# Altium PCB MKRWANV1.0.PcbDoc (part 2 of 2) (continued)
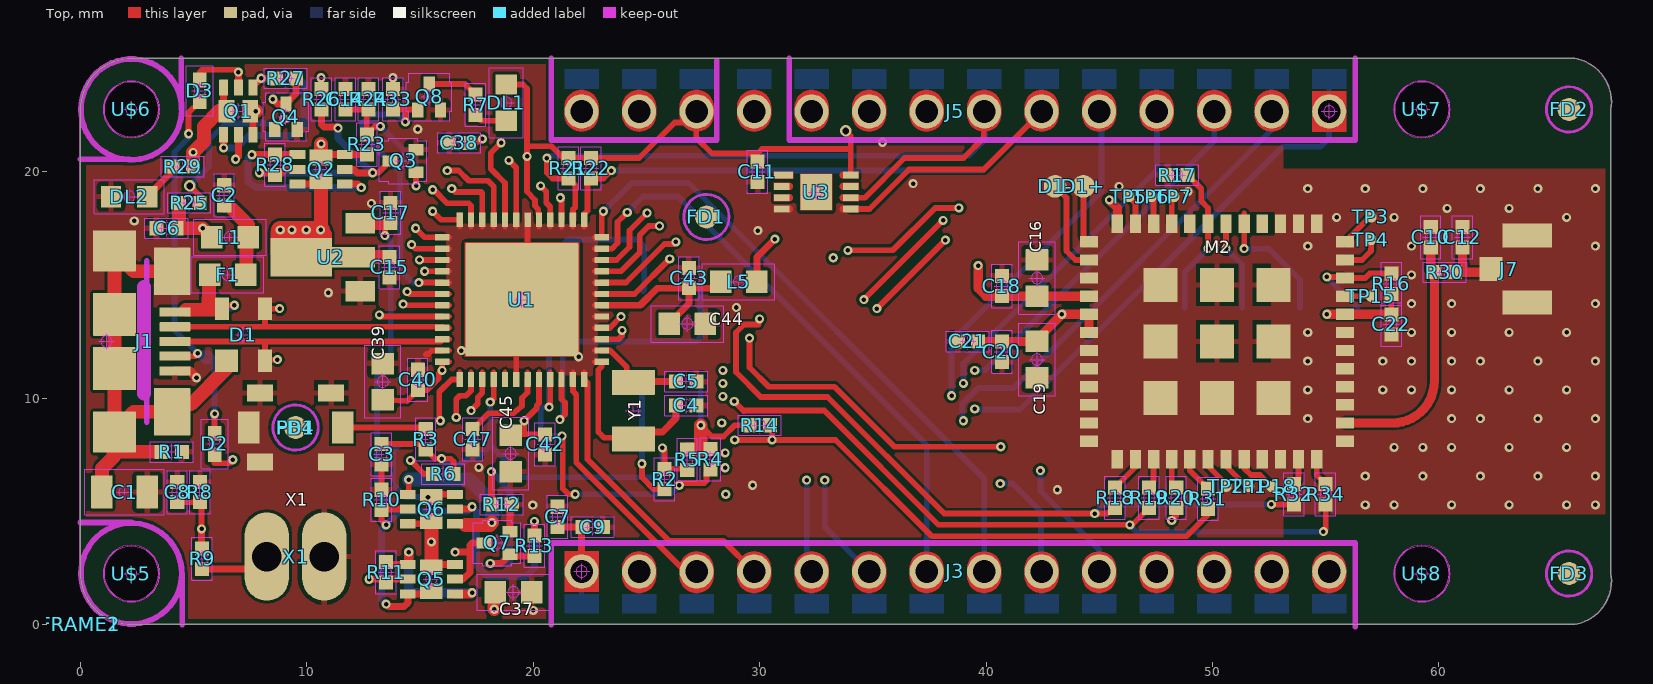
[diagram p0: Top view]
## Nets (pads, with @x,y where several pads share a name; then routed paths per layer and width w, separated by ;. In a path a pad name is that pad's centre, name@x,y a point inside that pad or via, vN(x,y) a via of type N, cw(c..) or ccw(c..) an arc to the next point about the centre after c; other vN are vias at no path point) (continued)
  Top w0.61: J1.1@4.65,13.9 5.45,13.9 ; 5.7,13.95 5.75,13.9 ; F1.2@5.7,15.45 5.65,14.1 5.45,13.9 ; D1.4@6,13.95 D1.4@6.25,13.95 6.2,13.9 5.75,13.9 ; 5.45,13.9 5.75,13.9
  Bottom w0.25: VUSB.X@5.7,13.95 6.65,13.95 v2(6.8,14.1)
N17658775: PB1.6 R3.1 | length 3.7
  Top w0.254: PB1.6@11.575,8.7 15.175,8.7 R3.1@15.25,8.625
N17690335: Q1.S1 Q1.S2 R27.2 | length 9.7
  Top w0.305: v1(6.325,21.05) Q1.S2@6.325,21.635 ; Q1.S1@7.625,23.715 7.625,23.775 v1(7.975,24.125) R27.2@8.625,24.125
  Bottom w0.305: v1(6.325,21.05) 6.9,21.05 7.45,21.6 9.55,21.6 9.875,21.925 9.875,23.9 9.675,24.1 8,24.1 v1(7.975,24.125)
N17690346: D3.A Q1.G1 Q1.G2 Q4.D R27.1 | length 11.7
  Top w0.254: D3.A@5.275,24.05 5.275,24.4 5.375,24.5 6.875,24.5 v1(6.975,24.4)
  Top w0.305: v1(6.85,20.55) 6.975,20.675 Q1.G2@6.975,21.635 Q1.G2@7,21.61 ; Q1.G1@6.975,23.715 v1(6.975,24.4) ; v1(8.5,23.2) 8.705,22.995 Q4.D@9.075,22.995 9.525,23.445 R27.1@9.525,24.125
  POWER w0.305: v1(6.85,20.55) 6.85,20.725 7.6,21.475 8.25,21.475 8.5,21.725 v1(8.5,23.2) 8.175,23.2 v1(6.975,24.4)
N17690381: Q4.G R25.1 R26.2 | length 11.3
  Top w0.254: v3(4.825,19.375) 5.275,18.925 5.275,18.625 R25.1@5.25,18.625 ; Q4.G@8.575,21.855 8.575,21.9 v1(9,22.325) ; v1(10.625,24.15) 10.625,23.675 R26.2@10.65,23.65
  POWER w0.254: v1(9,22.325) 9.95,22.325 10.625,23 v1(10.625,24.15)
  Bottom w0.254: v3(4.825,19.375) 5.675,20.225 5.675,21.4 6.4,22.125 8.8,22.125 v1(9,22.325)
N17690821: Q2.S1 Q2.S2 R28.2 | length 9.2
  Top w0.305: v1(7.575,20.75) R28.2@8.6,20.75 Q2.S1@9.585,20.75 ; Q2.S2@11.665,19.45 12.25,19.45 v1(12.4,19.3)
  Bottom w0.305: v1(7.575,20.75) 7.4,20.575 7.4,19.55 7.75,19.3 v1(12.4,19.3)
N17690840: Q2.G1 Q2.G2 Q3.D R26.1 R28.1 | length 13.2
  Top w0.254: v1(12.9,19.95) 13.155,19.95 Q3.D@13.68,20.475
  Top w0.305: v1(7.9,19.95) 8.5,19.95 R28.1@8.6,19.85 8.8,19.85 9.05,20.1 Q2.G1@9.585,20.1 ; R26.1@10.65,22.75 10.65,22.075 10.75,21.975 11.325,21.975 v1(11.375,21.925) ; Q2.G2@11.665,20.1 12.075,20.1 12.225,19.95 v1(12.9,19.95)
  Bottom w0.305: v1(7.9,19.95) v1(12.9,19.95) 11.375,21.475 v1(11.375,21.925)
N17690878: C14.1 Q3.G R23.1 R24.2 | length 6.8
  Top w0.254: C14.1@11.7,22.75 R24.2@12.725,22.75 12.65,22.675 R23.1@12.65,21.65 13,22 v1(13.25,22) ; Q3.G@14.82,19.975 14.82,19.38 v1(14.825,19.375)
  Bottom w0.254: v1(13.25,22) 14.825,20.425 v1(14.825,19.375)
N17834267: DL2.A R29.1 | length 2
  Top w0.305: DL2.A@2.95,19.15 2.95,18.9 4.075,20.025 R29.1@4.075,20.225
N17852357: C43.1 C44.1 L5.2 U1.6 | length 7.7
  Top w0.305: U1.6@23.025,14.1 24.725,14.1 25.477,14.852 C43.1@26.885,14.852 ; C44.1@26.006,13.275 25.975,13.275 26.875,14.175 26.875,14.842 C43.1@26.885,14.852 ; L5.2@28.274,15.143 27.983,14.852 C43.1@26.885,14.852
N$1: C1.1 D1.1 J1.6 J1.7 J1.8 J1.9 J1.10 J1.11 R1.2 | length 22.5
  Top w0.61: C1.1@0.95,5.85 0.95,6.892 1.459,7.402 1.464,7.531 ; R1.2@3.575,7.625 1.558,7.625 1.464,7.531 ; J1.11@4.05,15.6 2.35,15.6 J1.10@1.5,16.5 J1.9@1.5,13.7 J1.7@1.5,8.5 ; D1.1@6.5,11.6 D1.1@6.45,11.65 6.45,11.3 4.875,9.725 4.325,9.725 J1.6@4.05,9.4 2.35,9.4 J1.7@1.5,8.5 ; 1.464,7.531 J1.7@1.5,8.5
N$2: C2.1 F1.1 L1.1 | length 3.6
  Top w0.61: C2.1@6.35,18.5 6.55,18.5 7.4,17.65 L1.1@7.4,17.1 7.35,17.05 F1.1@7.3,15.45
N$3: DL1.C R7.2 | length 1.5
  Top w0.254: R7.2@17.45,22.5 17.7,22.25 DL1.C@18.8,22.25
N$4: J2.3 R2.1 | length 5
  Top w0.254: v1(24.8,7.1) 24.8,6.5 25.325,5.975 R2.1@25.8,5.975
  Bottom w0.254: v1(24.8,7.1) 24.8,10.228 J2.3@24.85,10.278
N$5: M2.24 R34.1 | length 1.3
  Top w0.254: M2.24@54.6,7.3 54.6,6.6 R34.1@55,6.2
N$6: Q8.D R7.1 | length 2.2
  Top w0.254: Q8.D@15.4,23.87 16.98,23.87 R7.1@17.45,23.4
N$7: M2.23 R32.1 | length 1.2
  Top w0.254: R32.1@53.6,6.2 53.8,6.4 M2.23@53.8,7.3
N$8: C17.1 Q5.D1 Q5.D1' Q6.G1 Q6.G2 R10.2 R13.2 U2.3 | length 36.6
  Top w0.254: R10.2@13.3,5.05 13.3,4.6 v1(13.5,4.4) ; v1(13.45,17.175) 13.45,17.475 C17.1@13.7,17.725
  Top w0.305: R10.2@13.3,5.05 13.55,5.1 Q6.G1@14.46,5.1 ; v1(13.5,0.9) 13.6,0.8 14.3,0.8 14.46,0.96 Q5.D1@14.46,1.35 Q5.D1'@15.375,1.35 ; Q5.D1'@15.3,1.275 Q5.D1'@15.375,1.35 ; Q6.G2@16.54,5.1 17.2,5.1 v1(17.3,5.2) ; R13.2@20.05,3.925 v1(20.05,4.55) ; Q5.D1'@15.375,1.35 Q5.D1'@15.5,1.475 Q5.D1'@15.375,1.35
  Top w0.61: U2.3@12.35,17.725 C17.1@13.7,17.725
  Bottom w0.254: v1(13.45,17.175) 13.7,16.925 13.7,11.6 13.1,11 13.1,5.8 14,4.9
  Bottom w0.305: v1(13.5,0.9) 13.3,1.1 13.3,4.2 v1(13.5,4.4) 14,4.9 14.1,5 17.1,5 17.275,5.175 v1(17.3,5.2) 17.5,5 17.5,2.6 17.975,2.125 19.675,2.125 20.05,2.5 v1(20.05,4.55)
N$9: M2.19 TP1.X | length 1.7
  Top w0.254: M2.19@50.6,7.3 50.6,7 51.5,6.1 TP1.X@51.6,6.1
N$10: M2.14 R18.1 | length 1.6
  Top w0.254: R18.1@45.7,6.05 46.6,6.95 M2.14@46.6,7.3
N$11: M2.15 R19.1 | length 1.3
  Top w0.254: R19.1@47.2,6.05 47.4,6.35 M2.15@47.4,7.3
N$12: Q6.S1 Q6.S2 | length 7.4
  Top w0.254: Q6.S1@14.46,5.75 14.46,5.86 14.5,5.9 14.5,6 v1(14.5,6.4)
  Top w0.305: Q6.S2@16.54,4.45 16.95,4.45 17,4.4
  Top w0.61: 17,4.4 18.1,4.4 v1(18.175,4.5)
  Bottom w0.61: v1(14.5,6.4) 17.175,6.4 18.175,5.4 v1(18.175,4.5)
N$13: M2.16 R20.1 | length 1.3
  Top w0.254: M2.16@48.2,7.3 48.2,6.35 R20.1@48.4,6.05
N$14: M2.17 R31.1 | length 1.6
  Top w0.254: M2.17@49,7.3 49,6.8 R31.1@49.8,6
N$15: M2.41 SWDIO.X | length 5.8
  Top w0.254: v1(51.4,16.6) M2.41@51.4,17.7 51.4,18.15
  Bottom w0.254: v1(51.4,16.6) 52.5,16.6 53.86,15.24 SWDIO.X@53.86,14
N$16: M2.42 SWCLK.X | length 4
  Top w0.254: v1(50.6,16.6) M2.42@50.6,17.7
  Bottom w0.254: v1(50.6,16.6) 51.32,15.88 SWCLK.X@51.32,14
N$17: C12.1 J7.SIG R30.2 | length 2.9
  Top w0.406: R30.2@60.71,15.56 61.2,15.56 ; C12.1@61.042,16.65 61.042,15.959 61.05,15.95 61.05,15.71 61.2,15.56 ; J7.SIG@62.3,15.7 62.3,15.56 61.2,15.56
N$18: D1+.X M2.1 | length 2.6
  Top w0.254: D1+.X@44.3,19.35 44.3,17.15 M2.1@44.55,16.9
N$19: D1-.X M2.2 | length 4.2
  Top w0.254: D1-.X@43.05,19.35 43.55,18.85 43.55,16.5 43.95,16.1 M2.2@44.55,16.1
N$20: M2.18 TP2.X | length 1.5
  Top w0.254: M2.18@49.8,7.3 49.8,7 50.6,6.2 TP2.X@50.6,6.1
N$21: M2.36 TP3.X | length 1.6
  Top w0.254: M2.36@55.85,16.9 56.95,18 TP3.X@57,18
N$22: M2.35 TP4.X | length 1.8
  Top w0.254: M2.35@55.85,16.1 56.6,16.1 57,16.5 TP4.X@57,17
N$23: M2.47 TP5.X | length 1.3
  Top w0.254: TP5.X@46.3,18.9 46.6,18.6 M2.47@46.6,17.7
N$24: M2.46 TP6.X | length 1.2
  Top w0.254: TP6.X@47.3,18.9 47.4,18.8 M2.46@47.4,17.7
N$25: M2.45 TP7.X | length 1.2
  Top w0.254: M2.45@48.2,17.7 48.2,18.8 TP7.X@48.3,18.9
N$33: M2.33 TP15.X | length 1.1
  Top w0.254: M2.33@55.85,14.5 TP15.X@57,14.5
N$36: M2.20 TP18.X | length 1.9
  Top w0.254: M2.20@51.4,7.3 51.4,6.9 51.7,6.6 52.1,6.6 TP18.X@52.6,6.1
N$38: C10.1 M2.26 R30.1 | length 11
  Top w0.406: M2.26@55.85,8.9 57.95,8.9 ccw(c57.95,10.75) 59.8,10.75 59.8,15.55 cw(c59.81,15.55) R30.1@59.81,15.56 ; C10.1@59.64,16.65 59.64,15.729 R30.1@59.81,15.56 ; R30.1@59.81,15.6 R30.1@59.81,15.56
N$46: C47.1 U1.43 | length 3.9
  Top w0.254: C47.1@17.325,8.625 18.025,9.325 19.125,9.325 19.15,9.35 19.5,9.65 19.5,10 19.75,10.25 U1.43@19.75,10.825
PA00_XIN32: C4.2 U1.1 Y1.2 | length 7.7
  Top w0.254: U1.1@23.025,11.6 23.025,11.4 22.875,11.25 22.875,8.5 23.125,8.25 24.161,8.25 Y1.2@24.42,8.192 Y1.2@24.537,8.509
  Top w0.305: Y1.2@24.537,8.509 25.709,8.509 26.309,9.109 C4.2@26.309,9.673
PA01_XOUT32: C5.2 U1.2 Y1.1 | length 4.5
  Top w0.254: U1.2@23.025,12.1 23.4,12.1 24.125,11.375 24.125,10.787 24.29,10.734 Y1.1@24.42,10.692
  Top w0.305: Y1.1@24.42,10.692 24.261,10.734 24.29,10.734 C5.2@26.309,10.734
PA02_AIN0: J3.2 U1.3 | length 12.2
  Top w0.254: U1.3@23.025,12.6 23.475,12.6 23.775,12.6 23.925,12.75 v1(23.925,12.988)
  POWER w0.254: v1(23.925,12.988) 23.975,12.925 23.975,8.075 24.275,7.775 24.275,2.74 J3.2@24.675,2.34
PA03_VREFA: C7.1 C9.1 J3.1 U1.4 | length 16.4
  Top w0.254: U1.4@23.025,13.1 23.375,13.1 v1(23.875,13.6)
  Top w0.305: C7.1@21.075,4.3 C9.1@22.175,4.3 22.135,4.26 J3.1@22.135,2.34
  POWER w0.254: J3.1@22.135,2.34 22.975,3.18 22.975,13.25 23.325,13.6 v1(23.875,13.6)
PA04_AIN4: J3.5 U1.9 | length 23.3
  Top w0.254: U1.9@23.025,15.6 23.875,15.6 24.7,16.425 24.7,17.2 25.1,17.6 v1(25.575,17.6)
  LFSignals w0.254: v1(25.575,17.6) 27.95,17.6 32.075,13.475 v1(32.075,6.375)
  Bottom w0.254: v1(32.075,6.375) 32.075,2.56 J3.5@32.295,2.34
PA05_AIN5: J3.6 U1.10 | length 25.1
  Top w0.254: U1.10@23.025,16.1 23.675,16.1 24.25,16.675 24.25,17.4 v1(25.025,18.175)
  LFSignals w0.254: v1(25.025,18.175) 28.125,18.175 32.875,13.425 v1(32.875,6.375)
  Bottom w0.254: v1(32.875,6.375) 32.875,4.3 J3.6@34.835,2.34 J3.6@34.875,2.38
PA06_AIN6: J3.7 U1.11 | length 26.3
  Top w0.254: U1.11@23.025,16.6 23.375,16.6 23.475,16.6 23.725,16.85 23.725,17.775 v1(24.15,18.2) 23.95,18
  Bottom w0.254: v1(24.15,18.2) 24.85,18.9 26.4,18.9 37.375,7.925 J3.7@37.375,2.34
PA07_AIN7: J3.8 U1.12 | length 28.1
  Top w0.254: U1.12@23.025,17.1 23.025,18.125 v1(23.1,18.25)
  Bottom w0.254: v1(23.1,18.25) 24.35,19.5 26.85,19.5 39.915,6.435 J3.8@39.915,2.34 J3.8@39.95,2.375
PA08_S0_I2C_SDA: J5.6 R22.1 U1.13 U3.5 | length 33.3
  Top w0.254: U1.13@22.25,17.875 22.25,18.125 22.4,18.275 22.4,19.55 R22.1@22.55,19.7 23.1,19.7 v1(23.45,20.05) ; U3.5@34.025,18.35 34.85,18.35 36.6,20.1 39.895,20.1 J5.6@42.455,22.66
  Bottom w0.254: v1(23.45,20.05) 39.845,20.05 J5.6@42.455,22.66
PA09_S0_I2C_SCL: J5.7 R21.1 U1.14 U3.6 | length 33.2
  Top w0.254: v1(20.6,20.6) 20.6,19.95 20.85,19.7 R21.1@21.55,19.7 ; U1.14@21.75,18.15 21.75,18.325 21.85,18.425 21.85,19.4 21.75,19.5 R21.1@21.55,19.7 ; R21.1@21.825,19.425 R21.1@21.55,19.7 ; U3.6@34.025,18.85 34.65,18.85 36.4,20.6 39,20.6 39.9,21.5 39.9,22.645 J5.7@39.915,22.66
  Top w0.305: U1.14@21.75,17.875 U1.14@21.75,18.15
  Bottom w0.254: v1(20.6,20.6) 20.7,20.7 39.25,20.7 39.95,21.4 39.95,22.625 J5.7@39.915,22.66
PA10_TCC0-W2: J3.11 U1.15 | length 35.3
  Top w0.254: v1(21.2,18.85) 21.25,18.75 U1.15@21.25,17.875
  LFSignals w0.254: v1(21.2,18.85) 32.95,18.85 47.55,4.25 47.55,2.355 J3.11@47.535,2.34
PA11_TCC0-W3: J3.12 U1.16 | length 41
  Top w0.254: 20.5,19.2 v1(20.325,19.375) 20.575,19.125 20.575,18.625 20.75,18.45 U1.16@20.75,17.875
  LFSignals w0.254: v1@20.3,19.4 v1(20.325,19.375) 20.35,19.4 20.35,19.45 33.2,19.45 44.7,7.95 48.15,7.95 50.075,6.025 J3.12@50.075,2.34
PA12_MOSI_TX: R18.2 R32.2 U1.21 | length 51.9
  Top w0.254: v1(16.2,20.05) 16.7,20.05 17.15,19.6 18,19.6 18.25,19.35 U1.21@18.25,17.875 ; v1(30,13.5) 29.95,13.25 29.3,13.25 28.95,12.9 28.95,11.15 30.05,10.05 33,10.05 38.15,4.9 v1(44.8,4.9) 45.35,4.9 R18.2@45.7,5.15 ; v1(52.6,5.3) R32.2@53.6,5.3
  LFSignals w0.254: v1(16.2,20.05) 16.7,20.05 21.075,15.675 26.625,15.675 28.8,13.5 v1(30,13.5)
  Bottom w0.254: v1(44.8,4.9) 45.2,5.3 v1(52.6,5.3)
PA13_SCK: R20.2 U1.22 | length 41.9
  Top w0.254: v1(16.4,19.25) 16.55,19.1 17.7,19.1 17.75,19.05 U1.22@17.75,17.875 ; v1(29.55,12.65) 29.55,11.35 30.4,10.5 33.3,10.5 35.95,7.85 v1(40.65,7.85) ; v1(48.2,4.6) 48.4,4.8 R20.2@48.4,5.15
  LFSignals w0.254: v1(16.4,19.25) 20.375,15.275 26.35,15.275 28.975,12.65 v1(29.55,12.65)
  POWER w0.254: v1(40.65,7.85) 43.95,7.85 47.2,4.6 v1(48.2,4.6)
PA14_RF_SSN: R14.1 R31.2 U1.23 | length 47.4
  Top w0.254: v1(15.55,19.2) 15.6,19.2 16.2,18.6 17.15,18.6 17.25,18.5 U1.23@17.25,17.875 ; v1(28.9,8.15) v1(30.55,8.15) ; R14.1@30.45,8.8 30.55,8.7 v1(30.55,8.15) ; R31.2@49.8,5.1 49.8,4.85 48.85,3.9 37.6,3.9 33.35,8.15 v1(30.55,8.15)
  LFSignals w0.254: v1@15.6,19.2 v1(15.55,19.2) 19.875,14.875 26.125,14.875 29.45,11.55 29.45,9.6 28.9,9.05 v1(28.9,8.15)
  Bottom w0.254: v1(30.55,8.15) v1@30.6,8.1
PA15_MISO_RX: R19.2 R34.2 U1.24 | length 49.9
  Top w0.254: v1(15.55,18.25) 15.925,17.875 U1.24@16.75,17.875 ; v1(28.875,9.85) 29.295,9.43 29.315,9.45 32.85,9.45 37.9,4.4 v1(46.35,4.4) 46.45,4.4 R19.2@47.2,5.15 ; v1(54.9,4.1) 55,4.2 R34.2@55,5.3
  LFSignals w0.254: v1(15.55,18.25) 19.325,14.475 25.875,14.475 28.85,11.5 28.85,9.875 v1(28.875,9.85)
  Bottom w0.254: v1(46.35,4.4) 46.65,4.1 v1(54.9,4.1)
PA16_S1_MOSI: J5.3 U1.25 | length 45.3
  Top w0.254: v1(14.8,17.5) 15.2,17.1 U1.25@15.975,17.1
  LFSignals w0.254: v1(14.8,17.5) 15.2,17.1 16.15,17.1 19.175,14.075 25.525,14.075 v1(28.375,11.225)
  POWER w0.254: v1(28.375,11.225) v1(39.5,11.225)
  Bottom w0.254: v1(39.5,11.225) 39.95,11.225 50.075,21.35 50.075,22.66 50.175,22.56 J5.3@50.175,22.125
PA17_S1_SCK: J5.4 U1.26 | length 44
  Top w0.254: v1(14.625,16.775) 14.8,16.6 U1.26@15.975,16.6
  LFSignals w0.254: v1(14.625,16.775) 14.8,16.6 16.075,16.6 19,13.675 22.575,13.675 25.7,10.55 28.275,10.55 v1(28.375,10.65)
  POWER w0.254: v1(28.375,10.65) v1(39,10.65)
  Bottom w0.254: v1(39,10.65) 39,11.525 47.55,20.075 47.55,22.645 J5.4@47.535,22.66
PA18_USB_ID: D2.A U1.27 | length 14.6
  Top w0.254: 5.925,7.125 6,7.125 ; D2.A@5.925,7.5 5.925,7.2 6,7.125 ; v1(6.725,7.275) 6.575,7.125 6,7.125 ; v1(14.975,16.1) U1.27@15.975,16.1
  LFSignals w0.254: v1(6.725,7.275) 6.725,7.925 14.9,16.1 v1(14.975,16.1)
PA19_S1_MISO: J5.5 U1.28 | length 42.5
  Top w0.254: v1(15.2,15.6) U1.28@15.975,15.6
  LFSignals w0.254: v1(15.2,15.6) 16.525,15.6 18.825,13.3 18.825,13.275 22.4,13.275 25.525,10.15 28,10.15 28.075,10.075 v1(28.375,10.075)
  POWER w0.254: v1(28.375,10.075) 28.375,9.675 28.7,9.35 29.15,9.35 29.9,10.1 v1(38.475,10.1)
  Bottom w0.254: v1(38.475,10.1) 38.475,12.5 45.1,19.125 45.1,22.555 J5.5@44.995,22.66
PA20_TCC0-W6: J5.1 Q8.G R33.2 U1.29 | length 62.3
  Top w0.254: R33.2@13.8,22.75 14.3,22.75 ; v1(14.35,22.2) 14.35,22.7 14.3,22.75 ; Q8.G@14.9,22.73 14.88,22.75 14.3,22.75 ; v1(14.95,15.1) U1.29@15.975,15.1
  LFSignals w0.254: v1(14.95,15.1) 16.425,15.1 18.65,12.875 22.225,12.875 25.35,9.75 27.475,9.75 v1(28.325,8.9)
  POWER w0.254: v1(28.325,8.9) 28.35,8.875 29.4,8.875 30.05,9.525 v1(39.5,9.525)
  Bottom w0.254: v1(14.35,22.2) 14.025,22.525 12.825,22.525 12.45,22.15 12.45,21.65 14.125,19.975 14.125,15.65 14.675,15.1 v1(14.95,15.1) ; v1(39.5,9.525) 39.525,9.5 41.5,9.5 53.1,21.1 54.775,21.1 55.15,21.475 55.15,22.655 J5.1@55.155,22.66
PA21_TCC0-W7: J5.2 U1.30 | length 50.1
  Top w0.254: v1(14.425,14.7) 14.525,14.6 U1.30@15.975,14.6
  LFSignals w0.254: v1(14.425,14.7) 14.525,14.6 16.35,14.6 18.475,12.475 22.05,12.475 25.225,9.3 26.05,9.3 27.775,7.575 v1(28.475,7.575)
  POWER w0.254: v1(28.475,7.575) 29.075,7.575 30.5,9 v1(39,9)
  Bottom w0.254: v1(39,9) 39.05,9 38.95,9.1 38.95,9.75 39.65,10.45 41.225,10.45 52.7,21.925 52.7,22.575 J5.2@52.615,22.66
PA22_TC4-W0: J3.9 U1.31 | length 36.7
  Top w0.254: v1(14.25,14.15) 14.3,14.1 U1.31@15.975,14.1
  LFSignals w0.254: v1(14.25,14.15) 14.275,14.15 14.325,14.1 16.3,14.1 18.325,12.075 21.05,12.075 24.375,8.75 25.95,8.75 27.55,7.175 27.8,6.925 v1(28.475,6.925)
  POWER w0.254: v1(28.475,6.925) 30.8,6.925 31.925,5.8 33.15,5.8 33.575,6.225 v1(40.625,6.225)
  Bottom w0.254: v1(40.625,6.225) 41.175,6.225 42.425,4.975 42.425,2.37 J3.9@42.455,2.34
PA23_TC4-W1: J3.10 U1.32 | length 41.8
  Top w0.254: v1(13.2,13.675) 13.275,13.6 U1.32@15.975,13.6
  LFSignals w0.254: v1(13.2,13.675) 13.275,13.6 16.25,13.6 18.175,11.675 20.875,11.675 24.2,8.35 25.8,8.35 28.4,5.75 v1(28.5,5.75)
  POWER w0.254: v1(28.5,5.75) 29.125,5.125 33.325,5.125 33.85,5.65 41.25,5.65 v1(42.4,6.8)
  Bottom w0.254: v1(42.4,6.8) 42.4,5.9 45,3.3 J3.10@45,2.345 ; J3.10@44.995,2.34 J3.10@45,2.345 ; J3.10@45.025,2.37 J3.10@45,2.345
PA27_RF_NRES: M2.34 R16.1 RST.X U1.39 | length 60
  Top w0.254: v1(17.25,9.45) 17.55,9.75 17.55,10.025 17.75,10.225 U1.39@17.75,10.825 ; v1(33.9,16.525) 35.875,16.525 37.75,18.4 v1(38.8,18.4) ; v1(55.05,15.35) 55.8,15.35 M2.34@55.85,15.3 56.75,15.3 56.95,15.5 R16.1@57.9,15.5
  LFSignals w0.254: v1(17.25,9.45) 17.25,8.825 21.225,4.85 33.275,4.85 33.9,5.475 v1(33.9,16.525) ; v1(38.8,18.4) 38.8,18.15 41.6,15.35 v1(55.05,15.35)
  Bottom w0.254: v1(55.05,15.35) RST.X@56.4,14
PA30_SWCLK: J2.4 R4.1 U1.45 | length 26.5
  Top w0.254: v1(20.7,9.6) 20.75,9.65 U1.45@20.75,10.825 ; v1(21.275,8.325) 21.3,8.3 21.3,6 21.55,5.75 v1(21.85,5.75) ; v1(26.45,6.15) 26.55,6.25 27.55,6.25 27.65,6.35 27.65,6.675 R4.1@27.825,6.85 R4.1@27.85,6.825
  Bottom w0.254: v1(21.275,8.325) 21.25,8.3 20.575,8.3 20.325,8.55 20.325,9.475 20.45,9.6 v1(20.7,9.6) 20.7,12.425 21.325,13.05 21.325,16.8 21.525,17 24.6,17 24.9,16.7 24.9,14.772 J2.4@24.85,14.723 ; v1(21.85,5.75) 26.05,5.75 v1(26.45,6.15)
PA31_SWDIO: J2.2 U1.46 | length 13.6
  Top w0.254: v1(21.175,9.05) 21.4,9.275 21.4,9.8 21.25,9.95 U1.46@21.25,10.825
  Bottom w0.254: v1(21.175,9.05) 21.3,9.175 21.3,12.375 21.425,12.5 27.2,12.5 27.39,12.69 J2.2@27.39,14.723
PB02_AIN10: J3.3 U1.47 | length 11.1
  Top w0.254: U1.47@21.75,10.825 21.75,10.3 21.9,10.15 21.9,7.15 26.6,2.45 26.6,2.4 27.155,2.4 J3.3@27.215,2.34
PB03_AIN11: J3.4 U1.48 | length 13.3
  Top w0.25: J3.4@29.41,2.34 J3.4@29.755,2.34
  Top w0.254: U1.48@22.25,10.825 22.4,10.675 22.4,7.3 26,3.7 28.395,3.7 J3.4@29.755,2.34
PB08_AIN3: C8.1 R8.2 R9.1 U1.7 | length 40.2
  Top w0.254: C8.1@4.275,5.4 R8.2@5.275,5.4 5.35,5.325 v1(5.35,4.225) ; U1.7@23.025,14.6 24.475,14.6 v1(26.025,16.15)
  Top w0.305: v1(5.35,4.225) 5.35,3.35 R9.1@5.375,3.35
  LFSignals w0.254: v1(5.35,4.225) 5.35,7.55 13.975,16.175 13.975,19.775 14.95,20.75 16.95,20.75 21.55,16.15 v1(26.025,16.15)
PB09_BOOT0: BOOT0.X M2.43 R17.2 U1.8 | length 35.1
  Top w0.254: U1.8@23.025,15.1 24.1,15.1 25.8,16.8 26.2,16.8 v1(26.3,16.9) ; R17.2@48.9,19.85 49.5,19.25 49.5,18.7 49.8,18.4 M2.43@49.8,17.7 v1(49.8,16.6)
  POWER w0.254: v1(26.3,16.9) 26.3,16.8 27.4,15.7 38.7,15.7 39.6,16.6 v1(49.8,16.6)
  Bottom w0.254: BOOT0.X@48.78,14 48.78,15.58 v1(49.8,16.6)
PB10_TCC0-W4: J3.13 U1.19 | length 45.6
  Top w0.254: v1(18.925,20.5) 19.25,20.175 U1.19@19.25,17.875
  LFSignals w0.254: v1(18.925,20.5) 19.425,20 22.55,20 23.225,20.675 32.85,20.675 45.125,8.4 48.4,8.4 50.7,6.1 50.7,4.255 J3.13@52.615,2.34
PB11_TCC0-W5: J3.14 U1.20 | length 49.2
  Top w0.254: v1(18.575,21.275) 18.125,20.825 18.125,20.125 18.75,19.5 U1.20@18.75,17.875
  LFSignals w0.254: v1(18.575,21.275) 33.05,21.275 45.438,8.887 45.45,8.9 48.6,8.9 51.3,6.2 51.3,4.6 52.2,3.7 53.795,3.7 J3.14@55.155,2.34
PB22_S5_TX: J5.9 U1.37 | length 46
  Top w0.254: v1(15.9,9) 15.85,9.05 15.85,10.275 16.4,10.825 U1.37@16.75,10.825 ; v1(35.175,13.95) v1(38.2,16.975)
  LFSignals w0.254: v1(15.9,9) 15.9,8.6 16.5,8 16.5,6.15 16.875,5.8 17.7,5.8 19,4.5 19,4.3 19.65,3.65 20.5,3.65 20.85,4 33.775,4 34.95,5.175 34.95,13.725 35,13.775 v1(35.175,13.95) ; J5.9@34.835,22.66 34.85,22.645 34.85,20.3 38.175,16.975 v1(38.2,16.975)
PB23_S5_RX: J5.8 U1.38 | length 43.2
  Top w0.254: v1(16.6,9.15) 16.6,9.95 16.75,10.1 17.025,10.1 17.25,10.325 17.25,10.475 U1.38@17.25,10.825 ; v1(34.6,14.35) v1(38.1,17.85)
  LFSignals w0.254: v1(16.6,9.15) 16.6,8.75 17,8.35 17,6.55 17.25,6.3 17.95,6.3 19.475,4.775 19.475,4.425 19.825,4.075 20.325,4.075 20.675,4.425 33.55,4.425 34.425,5.3 34.425,14.175 v1(34.6,14.35) ; J5.8@37.375,22.66 38.1,21.935 v1(38.1,17.85)
RESET#: J5.10 R6.2 | length 44.3
  Top w0.254: v1(14.575,7.25) 15.175,6.65 R6.2@15.575,6.65 ; J5.10@32.295,22.66 J5.10@32.3,22.655
  LFSignals w0.254: v1(14.575,7.25) 14.575,8.875 16.325,10.625 19,10.625 19.475,10.15 19.475,9.6 19.025,9.15 19.025,7.725 21.475,5.275 32.95,5.275 33.4,5.725 33.4,16.05 v1(33.25,16.2)
  POWER w0.254: J5.10@32.295,22.66 32.3,22.655 32.3,17.15 v1(33.25,16.2)
RESETN: C3.1 R2.2 R3.2 R5.1 R6.1 U1.40 | length 21
  Top w0.254: C3.1@13.3,7.975 15,7.975 R3.2@15.25,7.725 ; R3.2@15.275,7.7 R3.2@15.25,7.725 ; R6.1@16.475,6.65 16.475,7.2 16.35,7.325 v1(15.95,7.325) 15.65,7.325 R3.2@15.25,7.725 ; v1(18.1,9.825) 18.25,9.975 U1.40@18.25,10.825 ; v1(25.7,7.8) 25.8,7.7 R2.2@25.8,6.875 26.7,6.875 R5.1@26.8,6.825
  Bottom w0.254: v1(15.95,7.325) 16.175,7.1 16.9,7.1 17.2,7.4 17.6,7.4 18.1,7.9 ; v1(18.1,9.825) 18.1,7.9 ; v1(25.7,7.8) 25.7,6.6 25.6,6.5 19.5,6.5 18.1,7.9
USB_ID: D2.C D3.C J1.4 USB_ID.X | length 17.8
  Top w0.254: J1.4@4.175,11.85 5.05,11.85 v1(5.175,11.975) ; v1(4.775,21.675) 4.775,22.6 D3.C@5.275,23.1 ; D2.C@5.925,8.45 v1(5.925,9.3)
  Bottom w0.254: v1(4.775,21.675) 4.775,21.5 4.15,20.875 4.15,13 v1(5.175,11.975) 5.65,11.975 5.925,11.7 v1(5.925,9.3)
  Bottom w0.305: v1(5.175,11.975) 5.5,11.65 USB_ID.X@5.7,11.65
USB_N: D1.3 D-.X J1.2 U1.33 | length 14
  Top w0.25: J1.2@4.175,13.15 8.1,13.15 ; v2(8.8,13.95) D1.3@8.15,13.95 8.15,13.2 8.1,13.15 ; U1.33@15.975,13.1 15.975,13.125 16,13.15 8.1,13.15
  Bottom w0.25: D-.X@8.15,13.95 8.2,13.9 v2(8.8,13.95)
USB_P: D1.2 D+.X J1.3 U1.34 | length 13.9
  Top w0.25: J1.3@4.175,12.5 8.1,12.5 ; v1(8.7,11.7) 8.2,11.7 D1.2@8.15,11.65 8.15,12.45 8.1,12.5 ; U1.34@15.975,12.6 15.975,12.575 15.9,12.5 8.1,12.5
  Bottom w0.25: D+.X@8.15,11.65 8.65,11.65 v1(8.7,11.7)
VBATT: BATT+.X Q6.D1 Q6.D1' R9.2 X1.V+ | length 17
  Top w0.305: R9.2@5.375,2.45 7.68,2.45 X1.V+@8.23,3 ; Q6.D1'@15.5,5.625 15.625,5.75 Q6.D1@16.54,5.75
  Top w0.61: v1(15.35,5.625) Q6.D1'@15.5,5.625
  POWER w0.61: X1.V+@8.23,3 8.48,3.25 8.53,3.25 8.53,4.58 9.45,5.5 15.225,5.5 v1(15.35,5.625)
  Bottom w0.254: BATT+.X@14.1,7.955 13.8,7.655 13.8,6.2 14.375,5.625 v1(15.35,5.625)
VIN: J5.13 Q2.D1 Q2.D1' R23.2 | length 21.6
  Top w0.305: Q2.D1'@10.625,20.625 10.75,20.75 Q2.D1@11.665,20.75 R23.2@12.65,20.75
  Top w0.61: Q2.D1'@10.625,20.625 v1(10.625,21.225)
  POWER w0.61: v1(10.625,21.225) 16.625,21.225 19.65,18.2 21.925,18.2 22.9,19.175 24.15,19.175 24.675,19.7 J5.13@24.675,22.66
VUSB: C6.1 L1.2 Q1.D1 Q1.D1' R25.2 | length 11.1
  Top w0.305: R25.2@4.25,18.525 R25.2@4.35,18.625 ; Q1.D1'@7.5,22.675 7.625,22.55 Q1.D1@7.625,21.635
  Top w0.61: R25.2@4.35,18.625 4.35,17.6 C6.1@4.25,17.5 v1(5.4,17.5) L1.2@5.8,17.1 ; Q1.D1'@7.5,22.675 v1(7.75,22.675)
  POWER w0.406: v1(5.4,17.5) v1@5.45,17.45
  POWER w0.61: v1(5.4,17.5) 5.4,18.875 5.625,19.1 5.625,21.4 6.9,22.675 v1(7.75,22.675)
pads on no net: FD1.P$1 FD2.P$1 FD3.P$1 FD4.P$1 J2.6 M2.8 M2.9 M2.10 M2.11 M2.12 M2.13 M2.21 M2.22 M2.28 M2.29 M2.30 M2.31 M2.37 M2.38 M2.39 M2.40 U1.41 U3.1 U3.2 U3.3 U3.7

## Polygon pours and split planes (outlines as drawn)
GND on Bottom "Polygon_3_Net_GND" (solid, remove dead copper, pour order 5): -1.125,25.125 53.125,25.125 53.125,-0.125 -1.125,-0.125
GND on Bottom "Polygon_1_Net_GND" (solid, remove dead copper, pour order 1): 52.723,20.127 67.727,20.127 67.727,4.873 52.723,4.873
GND on Top "Polygon_4_Net_GND" (solid, remove dead copper, pour order 0): 52.748,20.127 67.727,20.127 67.727,4.873 52.748,4.873
GND on Top "Polygon_2_Net_GND" (solid, remove dead copper, pour order 6): -1.125,25.125 53.125,25.125 53.125,-0.125 -1.125,-0.125
GND on LFSignals "Polygon_5_Net_GND" (solid, remove dead copper, pour order 4): -0.127,4.373 -0.127,20.677 4.323,20.677 4.323,25.127 20.927,25.127 20.927,21.127 27.973,21.127 27.973,25.127 31.427,25.127 31.427,21.527 53.652,21.527 53.652,5 53.652,3.473 20.927,3.473 20.927,-0.127 4.373,-0.127 4.373,4.373
+3V3 on POWER "Polygon_1_Net_+3V3" (solid, remove dead copper, pour order 3): 52.627,21.477 28.527,21.477 28.527,25.027 25.873,25.027 25.873,19.727 14.873,19.727 14.873,12.627 11.873,12.627 11.873,7.777 10.123,7.777 10.123,-0.077 20.727,-0.077 20.727,14.373 24.373,14.373 24.373,11.873 26.723,11.873 26.723,8.348 27.847,8.348 27.847,11.873 39.973,11.873 39.973,7.373 43.623,7.373 43.623,4.377 25.523,4.377 25.523,3.523 52.627,3.523
+5V on POWER "Polygon_1_Net_+5V" (solid, remove dead copper, pour order 2): 23.627,25.127 23.627,19.973 14.627,19.973 14.627,12.873 11.627,12.873 11.627,8.023 -0.127,8.023 -0.127,20.627 4.373,20.627 4.373,25.127

## Keep-outs
Top:
  circle w0.254: c2.25,22.75 r2.228
  circle w0.254: c2.25,2.25 r2.228
  lines w0.25: 20.8,0 20.8,3.6 56.3,3.6 56.3,-0.1 ; 20.8,25 20.8,21.4 28.1,21.4 28.1,24.9 ; 31.3,25 31.3,21.4 56.3,21.4 56.3,25
  lines w0.254: 0,4.5 2.25,4.5 ; 0,20.55 2.15,20.55 ; 4.45,22.75 4.45,25 ; 4.5,0 4.5,2.25
  lines w0.61: 2.8,10.2 2.8,14.9
Bottom:
  circle w0.254: c2.25,22.75 r2.228
  circle w0.254: c2.25,2.25 r2.228
  lines w0.25: 20.8,0 20.8,3.6 56.3,3.6 56.3,0 ; 20.8,25 20.8,21.4 28.1,21.4 28.1,24.9 ; 31.3,25 31.3,21.4 56.3,21.4 56.3,25
  lines w0.254: 0,4.5 2.25,4.5 ; 0,20.55 2.15,20.55 ; 4.45,22.75 4.45,25 ; 4.5,0 4.5,2.25 ; 56.3,24.95 56.3,25
Keep-Out Layer:
  the board outline again, w0.01

## Silkscreen, mask and mechanical layers (free items; w line width, h text height)
Top Overlay:
  text "X1" at 9.05,5.05 h0.94
Dimension:
  circle w0.1: c59.25,2.25 r1.206
  circle w0.1: c59.25,22.75 r1.206
  circle w0.1: c2.25,22.75 r1.206
  circle w0.1: c2.25,2.25 r1.206
  lines w0.01: 0,2.25 ccw(c2.25,2.25) 2.25,0 66,0 ccw(c65.675,1.925) 67.6,2.25 67.6,22.75 ccw(c65.675,23.075) 66,25 2.25,25 ccw(c2.25,22.75) 0,22.75 0,2.25
tPlace:
  text "PB1" at 8.9,9.8 h0.94

## Dimensions
59.25,2.25 to 59.25,22.75 on tFinish
0,22.75 to 0,2.25 on tFinish
66,25 to 2.25,25 on tFinish

## Text inside footprints (layer, text, board x,y; h text height)
FRAME1: Reference "ARDUINO and other Arduino brands and logos and Trademarks of Arduino SA. All Arduino SA Trademarks cannot be used without owner's formal permission" at -78.74,-25.4 h1.28; Reference "The product information on the Web Site or Materials is subject to change without notice. Do not finalize a design with this info" at -78.74,-20.9 h1.28; Reference "these for future definition and shall have no responsibility whatsoever for conflicts or incompatibilities arising from future changes to them." at -78.74,-18.649 h1.28; Reference "rely on the absence or characteristics of any features or instructions marked \"reserved\" or \"undefined.\" Arduino SA reserves" at -78.74,-16.399 h1.28; Reference "Arduino SA may make changes to specifications and product descriptions at any time, without notice. The Customer must not" at -78.74,-14.149 h1.28; Reference "REGARDING PRODUCTS, INCLUDING BUT NOT LIMITED TO, ANY IMPLIED WARRANTIES OF MERCHANTABILITY OR FITNESS FOR A PARTICULAR PURPOSE" at -78.74,-9.649 h1.28; Reference "Reference Designs ARE PROVIDED \"AS IS\" AND \"WITH ALL FAULTS. Arduino SA DISCLAIMS ALL OTHER WARRANTIES, EXPRESS OR IMPLIED," at -78.74,-7.399 h1.28
FRAME2: Reference "ARDUINO and other Arduino brands and logos and Trademarks of Arduino SA. All Arduino SA Trademarks cannot be used without owner's formal permission" at -78.74,-25.4 h1.28; Reference "The product information on the Web Site or Materials is subject to change without notice. Do not finalize a design with this info" at -78.74,-20.9 h1.28; Reference "these for future definition and shall have no responsibility whatsoever for conflicts or incompatibilities arising from future changes to them." at -78.74,-18.649 h1.28; Reference "rely on the absence or characteristics of any features or instructions marked \"reserved\" or \"undefined.\" Arduino SA reserves" at -78.74,-16.399 h1.28; Reference "Arduino SA may make changes to specifications and product descriptions at any time, without notice. The Customer must not" at -78.74,-14.149 h1.28; Reference "REGARDING PRODUCTS, INCLUDING BUT NOT LIMITED TO, ANY IMPLIED WARRANTIES OF MERCHANTABILITY OR FITNESS FOR A PARTICULAR PURPOSE" at -78.74,-9.649 h1.28; Reference "Reference Designs ARE PROVIDED \"AS IS\" AND \"WITH ALL FAULTS. Arduino SA DISCLAIMS ALL OTHER WARRANTIES, EXPRESS OR IMPLIED," at -78.74,-7.399 h1.28